# KiCad board DFTBoard.kicad_pcb (continued)
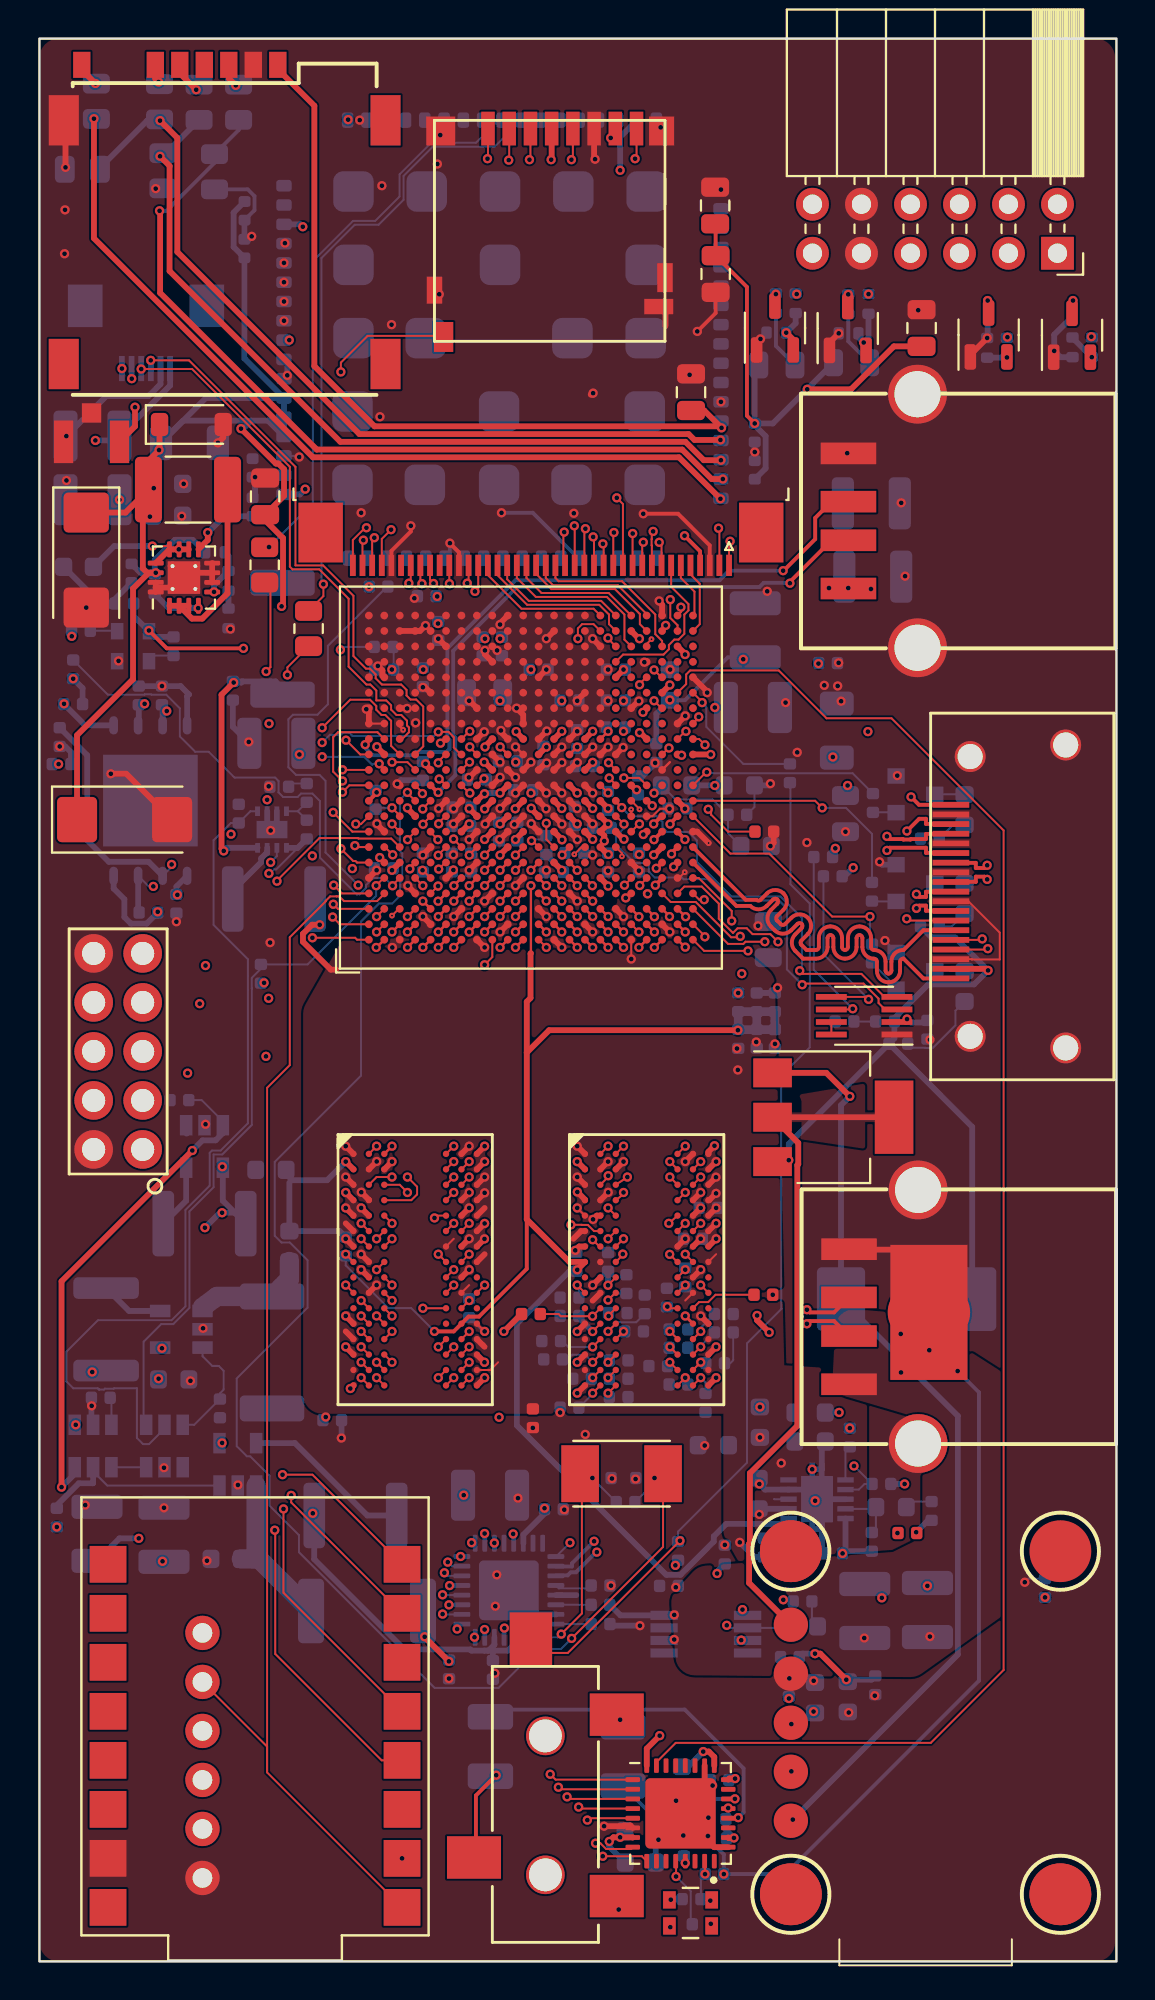
[diagram p0: board, top side]
## Routing (per net, layer and track width the routed paths; a pad name or vN(x,y) marks a point on that pad's centre or on a via; arc(x,y) is an arc through that point) (continued)
DDR3_DQS0_P: length 32.1
  TOP_GND w0.102: U16.F3 v1(17.48,37.45)
  TOP_GND w0.13: U20.C2 v1(18.28,53.35)
  SIGNAL2 w0.102: v1(18.28,53.35) 18.28,53.28 17.9,52.9 17.9,52.36 18.11,52.15 18.33,52.15 18.43,52.05 18.43,51.9 18.25,51.73 17.57,51.73 17.41,51.58 17.36,51.51 17.32,51.44 17.31,51.35 17.31,51.27 17.32,51.18 17.36,51.11 17.41,51.04 17.5,50.95 17.53,50.92 17.55,50.88 17.56,50.84 17.56,50.79 17.55,50.75 17.53,50.71 17.5,50.67 17.47,50.65 17.43,50.63 17.39,50.62 17.34,50.62 17.3,50.63 17.26,50.65 17.22,50.67 16.46,51.44 16.39,51.49 16.32,51.53 16.24,51.54 16.15,51.54 16.07,51.53 15.99,51.49 15.93,51.44 15.89,51.4 15.84,51.34 15.8,51.26 15.78,51.18 15.78,51.09 15.8,51.01 15.84,50.93 15.89,50.87 16.65,50.11 16.68,50.07 16.7,50.03 16.71,49.99 16.71,49.94 16.7,49.9 16.68,49.86 16.65,49.83 16.62,49.8 16.58,49.78 16.54,49.77 16.49,49.77 16.45,49.78 16.41,49.8 16.37,49.83 15.61,50.59 15.55,50.64 15.47,50.68 15.39,50.7 15.3,50.7 15.22,50.68 15.14,50.64 15.08,50.59 15.04,50.55 14.99,50.49 14.95,50.41 14.94,50.33 14.94,50.24 14.95,50.16 14.99,50.08 15.04,50.02 15.31,49.75 15.34,49.72 15.36,49.68 15.37,49.64 15.37,49.59 15.36,49.55 15.34,49.51 15.31,49.47 14.83,48.99 14.83,48.78 14.83,48.69 14.86,48.61 14.91,48.54 14.97,48.47 15.04,48.43 15.13,48.4 15.21,48.39 15.45,48.39 15.49,48.39 15.53,48.37 15.56,48.35 15.59,48.32 15.62,48.28 15.63,48.24 15.64,48.2 15.63,48.16 15.62,48.12 15.59,48.08 15.56,48.05 15.53,48.03 15.49,48.01 15.45,48.01 15.21,48.01 15.13,48 15.04,47.97 14.97,47.93 14.91,47.86 14.86,47.79 14.83,47.71 14.83,47.62 14.83,47.58 14.83,47.49 14.86,47.41 14.91,47.34 14.97,47.27 15.04,47.23 15.13,47.2 15.21,47.19 15.45,47.19 15.49,47.19 15.53,47.17 15.56,47.15 15.59,47.12 15.62,47.08 15.63,47.04 15.64,47 15.63,46.96 15.62,46.92 15.59,46.88 15.56,46.85 15.53,46.83 15.49,46.81 15.45,46.81 15.21,46.81 15.13,46.8 15.04,46.77 14.97,46.73 14.91,46.66 14.86,46.59 14.83,46.51 14.83,46.42 14.83,46.38 14.83,46.29 14.86,46.21 14.91,46.14 14.97,46.07 15.04,46.03 15.13,46 15.21,45.99 15.45,45.99 15.49,45.99 15.53,45.97 15.56,45.95 15.59,45.92 15.62,45.88 15.63,45.84 15.64,45.8 15.63,45.76 15.62,45.72 15.59,45.68 15.56,45.65 15.53,45.63 15.49,45.61 15.45,45.61 15.21,45.61 15.13,45.6 15.04,45.57 14.97,45.53 14.91,45.46 14.86,45.39 14.83,45.31 14.83,45.22 14.83,45.18 14.83,45.09 14.86,45.01 14.91,44.94 14.97,44.87 15.04,44.83 15.13,44.8 15.21,44.79 15.4,44.79 15.44,44.79 15.48,44.77 15.51,44.75 15.54,44.72 15.57,44.68 15.58,44.64 15.59,44.6 15.58,44.56 15.57,44.52 15.54,44.48 15.51,44.45 15.48,44.43 15.44,44.41 15.4,44.41 15.21,44.41 15.13,44.4 15.04,44.37 14.97,44.33 14.91,44.26 14.86,44.19 14.83,44.11 14.83,44.02 14.83,42.98 14.84,42.97 14.84,38.71 14.9,38.65 16.88,38.65 17.38,38.15 17.38,37.96 17.07,37.65 17.07,37.36 17.18,37.25 17.28,37.25 v1(17.48,37.45)
DDR3_DQS1_N: length 18.8
  TOP_GND w0.102: U16.B7 v1(21.48,41.45)
  TOP_GND w0.13: U20.J2 v1(23.08,53.35)
  SIGNAL2 w0.102: v1(21.48,41.45) 20.88,40.85 20.31,40.85 20.13,41.03 20.13,42.17 20.26,42.29 20.96,42.29 22.34,43.68 22.34,45.86 22.35,45.91 22.36,45.95 22.38,45.98 22.41,46.01 22.45,46.04 22.49,46.05 22.53,46.06 22.66,46.06 22.74,46.07 22.82,46.09 22.89,46.14 22.95,46.2 23,46.27 23.02,46.35 23.03,46.43 23.03,46.49 23.02,46.57 23,46.65 22.95,46.72 22.89,46.78 22.82,46.82 22.74,46.85 22.66,46.86 22.06,46.86 21.95,46.98 21.95,47.24 21.95,47.25 21.95,47.26 21.96,47.27 21.97,47.28 21.97,47.28 21.98,47.29 21.99,47.29 22.11,47.29 22.16,47.29 22.21,47.31 22.25,47.34 22.29,47.37 22.32,47.42 22.34,47.47 22.34,47.52 22.34,49.58 22.68,49.92 22.68,51.84 22.89,52.04 23.15,52.04 23.47,52.36 23.47,52.96 v1(23.08,53.35)
DDR3_DQS1_P: length 18.4
  TOP_GND w0.102: U16.C7 v1(21.48,40.65)
  TOP_GND w0.13: U20.H2 v1(22.28,53.35)
  SIGNAL2 w0.102: v1(22.28,53.35) 22.28,52.4 22.34,52.34 22.34,52.11 22.48,51.98 22.48,50 22.14,49.66 22.14,47.53 22.14,47.52 22.13,47.51 22.13,47.51 22.12,47.5 22.11,47.49 22.1,47.49 22.09,47.49 21.98,47.49 21.93,47.48 21.88,47.47 21.83,47.44 21.8,47.4 21.77,47.36 21.75,47.31 21.75,47.26 21.75,46.92 21.75,46.87 21.77,46.82 21.8,46.77 21.91,46.66 22.64,46.66 22.68,46.65 22.72,46.64 22.76,46.61 22.79,46.58 22.81,46.55 22.82,46.51 22.83,46.46 22.83,46.45 22.82,46.41 22.81,46.37 22.79,46.33 22.76,46.3 22.72,46.28 22.68,46.27 22.64,46.26 22.51,46.26 22.43,46.25 22.35,46.22 22.28,46.18 22.22,46.12 22.17,46.05 22.15,45.97 22.14,45.89 22.14,43.76 20.88,42.5 20.17,42.5 19.93,42.25 19.93,40.95 20.23,40.65 v1(21.48,40.65)
DDR3_DQS2_N: length 21.4
  TOP_GND w0.102: U15.G3 v1(30.28,37.45)
  TOP_GND w0.13: U20.P2 v1(27.88,53.35)
  SIGNAL2 w0.102: v1(30.28,37.45) 30.28,37.79 29.41,38.65 29.08,38.65 28.5,39.24 28.5,43.91 28.5,43.91 28.5,46.57 28.28,46.8 28.28,47.01 28.28,47.03 28.29,47.05 28.3,47.07 28.31,47.09 28.33,47.1 28.35,47.11 28.38,47.11 28.51,47.11 28.57,47.12 28.63,47.14 28.69,47.17 28.73,47.22 28.77,47.28 28.79,47.34 28.8,47.4 28.8,47.44 28.79,47.5 28.77,47.56 28.73,47.62 28.69,47.66 28.63,47.7 28.57,47.72 28.51,47.72 27.94,47.72 27.93,47.72 27.92,47.73 27.91,47.73 27.91,47.74 27.91,47.74 27.9,47.75 27.9,47.76 27.9,47.89 27.9,47.9 27.91,47.91 27.91,47.92 27.91,47.92 27.92,47.92 27.93,47.93 27.94,47.93 28.51,47.93 28.57,47.94 28.63,47.96 28.69,47.99 28.73,48.04 28.77,48.09 28.79,48.15 28.8,48.22 28.8,48.25 28.79,48.32 28.77,48.38 28.73,48.43 28.69,48.48 28.63,48.51 28.57,48.53 28.51,48.54 27.95,48.54 27.91,48.57 27.91,48.57 27.9,48.58 27.9,48.59 27.9,48.73 27.9,48.73 27.91,48.74 27.91,48.75 27.91,48.75 27.92,48.76 27.93,48.76 27.94,48.76 28.05,48.76 28.1,48.76 28.15,48.78 28.19,48.81 28.23,48.84 28.25,48.89 28.27,48.93 28.28,48.98 28.28,51.35 28.68,51.75 28.68,51.97 28.28,52.37 28.28,52.95 v1(27.88,53.35)
DDR3_DQS2_P: length 21.8
  TOP_GND w0.102: U15.F3 v1(29.47,37.45)
  TOP_GND w0.13: U20.N2 v1(27.08,53.35)
  SIGNAL2 w0.102: v1(29.47,37.45) 29.78,37.75 29.78,37.95 29.66,38.06 28.51,38.06 28.29,38.28 28.29,46.49 28.07,46.72 28.07,47.03 28.08,47.09 28.1,47.15 28.13,47.21 28.18,47.25 28.23,47.29 28.3,47.31 28.36,47.32 28.49,47.32 28.51,47.32 28.54,47.33 28.56,47.34 28.57,47.35 28.58,47.37 28.59,47.4 28.59,47.42 28.59,47.44 28.58,47.46 28.57,47.48 28.56,47.5 28.54,47.51 28.51,47.52 28.49,47.52 27.92,47.52 27.87,47.53 27.82,47.54 27.78,47.57 27.75,47.6 27.72,47.65 27.7,47.69 27.7,47.74 27.7,47.91 27.7,47.96 27.72,48.01 27.75,48.05 27.78,48.08 27.82,48.11 27.87,48.13 27.92,48.13 28.49,48.13 28.51,48.13 28.54,48.14 28.56,48.15 28.57,48.17 28.58,48.19 28.59,48.21 28.59,48.23 28.59,48.26 28.58,48.28 28.57,48.3 28.56,48.31 28.54,48.33 28.51,48.33 28.49,48.34 27.86,48.34 27.82,48.37 27.78,48.4 27.75,48.43 27.72,48.48 27.7,48.52 27.7,48.57 27.7,48.74 27.7,48.79 27.72,48.84 27.75,48.88 27.78,48.91 27.82,48.94 27.87,48.96 27.92,48.96 28.04,48.96 28.05,48.96 28.05,48.97 28.06,48.97 28.06,48.98 28.07,48.98 28.07,48.99 28.07,49 28.07,51.7 27.47,52.31 27.47,52.96 v1(27.08,53.35)
DDR3_DQS3_N: length 18.3
  TOP_GND w0.102: 33.08,41.05 v1(32.68,41.45)
  TOP_GND w0.13: U20.W2 v1(31.88,53.35)
  SIGNAL1 w0.102: v1(31.88,53.35) 32.58,52.65 32.58,52.4 32.12,51.95 32.12,50.63 32.12,50.58 32.1,50.52 32.07,50.47 32.03,50.43 31.98,50.4 31.92,50.38 31.87,50.37 31.72,50.37 31.71,50.37 31.7,50.36 31.7,50.35 31.7,50.35 31.7,49.85 31.7,49.84 31.71,49.83 31.71,49.82 31.78,49.75 32.61,49.75 32.72,49.74 32.82,49.7 32.92,49.64 32.99,49.56 33.05,49.47 33.09,49.37 33.1,49.26 33.1,49.19 33.09,49.08 33.05,48.98 32.99,48.89 32.92,48.81 32.82,48.75 32.72,48.71 32.61,48.7 31.72,48.7 31.71,48.7 31.7,48.69 31.7,48.68 31.7,48.67 31.7,48.18 31.7,48.16 31.71,48.16 31.72,48.15 31.72,48.15 32.61,48.15 32.72,48.14 32.82,48.1 32.92,48.04 32.99,47.96 33.05,47.87 33.09,47.77 33.1,47.66 33.1,47.59 33.09,47.48 33.05,47.38 32.99,47.29 32.92,47.21 32.82,47.15 32.72,47.11 32.61,47.1 32.4,47.1 32.34,47.09 32.28,47.07 32.23,47.04 32.18,47 32.15,46.94 32.13,46.89 32.12,46.83 32.12,42.75 32.33,42.55 32.33,42.35 32.12,42.15 32.12,42 v1(32.68,41.45)
DDR3_DQS3_P: length 19.2
  TOP_GND w0.102: 33.08,40.25 v1(32.68,40.65) ; U20.V2 v1(31.08,53.35)
  SIGNAL1 w0.102: v1(31.08,53.35) 31.47,52.95 31.47,52.35 31.88,51.95 31.88,50.65 31.87,50.64 31.87,50.63 31.86,50.62 31.85,50.62 31.71,50.62 31.65,50.62 31.6,50.6 31.55,50.57 31.51,50.53 31.47,50.48 31.46,50.42 31.45,50.36 31.45,49.83 31.46,49.78 31.47,49.72 31.7,49.5 32.58,49.5 32.64,49.49 32.7,49.47 32.75,49.44 32.79,49.4 32.82,49.34 32.84,49.29 32.85,49.23 32.84,49.16 32.82,49.11 32.79,49.05 32.75,49.01 32.7,48.98 32.64,48.96 32.58,48.95 31.71,48.95 31.65,48.94 31.6,48.92 31.55,48.89 31.51,48.85 31.47,48.8 31.46,48.75 31.45,48.69 31.45,48.16 31.46,48.1 31.47,48.05 31.51,48 31.55,47.96 31.6,47.93 31.65,47.91 31.71,47.9 32.58,47.9 32.64,47.89 32.7,47.87 32.75,47.84 32.79,47.8 32.82,47.74 32.84,47.69 32.85,47.63 32.84,47.56 32.82,47.51 32.79,47.45 32.75,47.41 32.7,47.38 32.64,47.36 32.58,47.35 32.37,47.35 32.26,47.34 32.16,47.3 32.06,47.24 31.98,47.16 31.92,47.07 31.89,46.97 31.88,46.86 31.88,41 32.22,40.65 v1(32.68,40.65)
DDR3_DRST#: length 53.6
  TOP_GND w0.102: 29.08,29.85 v1(28.68,29.45) ; U16.T2 v1(16.68,30.25)
  TOP_GND w0.13: U20.F3 v1(20.68,54.15)
  SIGNAL2 w0.102: v1(28.68,29.45) 28.18,28.95 25.83,28.95 25.8,28.95 25.77,28.96 25.74,28.98 25.72,29 25.7,29.03 25.69,29.05 25.69,29.11 25.68,29.14 25.66,29.17 25.64,29.19 25.62,29.2 25.59,29.21 25.56,29.22 25.43,29.22 25.4,29.21 25.37,29.2 25.34,29.19 25.32,29.17 25.3,29.14 25.29,29.11 25.29,29.05 25.28,29.03 25.26,29 25.24,28.98 25.22,28.96 25.19,28.95 25.16,28.95 17.98,28.95 v1(16.68,30.25)
  SIGNAL4 w0.102: v1(16.68,30.25) 16.12,30.25 15.72,29.85 14.28,29.85 11.03,33.1 11.03,45.4 16.58,50.95 16.58,52.35 17.18,52.95 17.67,52.95 17.85,52.77 17.85,52.02 17.98,51.9 18.53,51.9 18.69,52.06 18.69,52.74 18.68,52.75 18.68,54.33 18.89,54.54 19.26,54.54 19.27,54.54 19.43,54.7 19.43,55.08 19.69,55.35 20.06,55.35 20.27,55.14 20.27,54.76 20.28,54.75 20.28,54.55 v1(20.68,54.15)
  BOTTOM w0.102: v1(28.68,29.45) 28.68,29.42 R74.1
DDR3_ODT: length 48.4
  TOP_GND w0.102: U16.K1 v1(15.88,35.05) ; U15.K1 v1(27.88,35.05)
  TOP_GND w0.13: U20.P5 v1(27.88,55.75)
  SIGNAL2 w0.102: v1(15.88,35.05) 16.28,34.64 16.86,34.64 17.07,34.44 17.09,34.44 17.38,34.15 17.59,34.15 18.09,34.65 24.23,34.65 24.38,34.8 27.62,34.8 v1(27.88,35.05)
  SIGNAL4 w0.102: v1(15.88,35.05) 16.68,35.05 17.08,35.45 17.08,36.1 17.23,36.25 17.78,36.25 17.88,36.35 17.88,37 17.88,37.01 17.88,37.64 18.09,37.84 18.45,37.84 18.68,38.07 18.69,38.07 19.43,38.8 19.43,39.62 19.53,39.72 19.53,43.43 24.21,48.11 25.01,48.91 25.04,48.93 25.07,48.95 25.1,48.95 25.13,48.95 25.16,48.95 25.19,48.93 25.21,48.91 25.36,48.77 25.38,48.75 25.41,48.74 25.44,48.73 25.47,48.73 25.5,48.74 25.53,48.75 25.56,48.77 25.64,48.85 25.66,48.88 25.67,48.91 25.68,48.94 25.68,48.97 25.67,49 25.66,49.03 25.64,49.05 25.15,49.54 25.13,49.56 25.12,49.59 25.11,49.62 25.11,49.65 25.12,49.69 25.13,49.71 25.15,49.74 25.24,49.82 25.26,49.84 25.29,49.86 25.32,49.86 25.35,49.86 25.38,49.86 25.41,49.84 25.44,49.82 25.92,49.34 25.95,49.32 25.98,49.3 26.01,49.29 26.04,49.29 26.07,49.3 26.1,49.32 26.12,49.34 26.21,49.42 26.23,49.44 26.24,49.47 26.25,49.5 26.25,49.53 26.24,49.57 26.23,49.59 26.21,49.62 25.72,50.11 25.7,50.13 25.68,50.16 25.68,50.19 25.68,50.22 25.68,50.25 25.7,50.28 25.72,50.3 25.8,50.39 25.83,50.41 25.86,50.42 25.89,50.43 25.92,50.43 25.95,50.42 25.98,50.41 26,50.39 26.49,49.9 26.51,49.88 26.54,49.87 26.57,49.86 26.6,49.86 26.63,49.87 26.66,49.88 26.69,49.9 26.77,49.99 26.79,50.01 26.8,50.04 26.81,50.07 26.81,50.1 26.8,50.13 26.79,50.16 26.77,50.18 26.32,50.64 26.3,50.66 26.29,50.69 26.28,50.72 26.28,50.75 26.29,50.78 26.3,50.81 26.32,50.83 26.4,50.92 26.43,50.94 26.46,50.95 26.49,50.96 26.52,50.96 26.55,50.95 26.58,50.94 26.6,50.92 27.05,50.47 27.08,50.45 27.11,50.43 27.14,50.43 27.17,50.43 27.2,50.43 27.23,50.45 27.25,50.47 27.34,50.55 27.36,50.58 27.37,50.6 27.38,50.63 27.38,50.67 27.37,50.7 27.36,50.72 27.34,50.75 26.88,51.2 26.87,51.23 26.85,51.25 26.84,51.28 26.84,51.32 26.85,51.35 26.87,51.38 26.88,51.4 26.97,51.48 26.99,51.5 27.02,51.52 27.05,51.52 27.08,51.52 27.11,51.52 27.14,51.5 27.17,51.48 27.28,51.38 27.3,51.36 27.33,51.34 27.36,51.33 27.39,51.33 27.42,51.34 27.45,51.36 27.48,51.38 27.48,55.15 27.73,55.4 27.86,55.4 27.88,55.41 v1(27.88,55.75)
  BOTTOM w0.102: R72.1 27.96,34.97 v1(27.88,35.05)
DDR3_RAS#: length 46.1
  TOP_GND w0.102: U16.J3 v1(18.28,35.05) ; U15.J3 29.47,35.05 v1(29.47,35.04)
  TOP_GND w0.13: U20.R5 28.66,55.77 v1(28.66,55.75)
  SIGNAL2 w0.102: v1(29.47,35.04) 29.06,35.45 27.38,35.45 26.53,36.3 25.58,36.3 24.73,35.46 24.34,35.46 24.3,35.45 24.26,35.44 24.23,35.42 24.2,35.39 24.18,35.35 24.16,35.31 24.15,35.23 24.14,35.19 24.12,35.16 24.09,35.13 24.05,35.11 24.01,35.09 23.97,35.09 23.94,35.09 23.9,35.09 23.86,35.11 23.83,35.13 23.8,35.16 23.78,35.19 23.76,35.23 23.76,35.54 23.65,35.65 23.63,35.67 23.61,35.67 23.58,35.68 23.4,35.68 23.38,35.67 23.35,35.67 23.33,35.65 23.32,35.64 23.3,35.61 23.29,35.59 23.29,35.54 23.28,35.52 23.27,35.5 23.25,35.48 23.23,35.47 23.21,35.46 23.18,35.46 21.3,35.46 20.89,35.05 v1(18.28,35.05)
  SIGNAL4 w0.102: v1(28.66,55.75) 28.28,55.36 28.28,54.7 28.43,54.55 28.93,54.55 29.08,54.4 29.08,50.7 28.9,50.53 28.88,50.51 28.85,50.49 28.82,50.48 28.79,50.48 28.75,50.49 28.73,50.51 28.7,50.53 28.57,50.66 28.54,50.68 28.52,50.69 28.49,50.7 28.45,50.7 28.42,50.69 28.4,50.68 28.37,50.66 28.29,50.57 28.27,50.55 28.25,50.52 28.25,50.49 28.25,50.46 28.25,50.43 28.27,50.4 28.29,50.38 28.75,49.91 28.77,49.89 28.78,49.86 28.79,49.83 28.79,49.8 28.78,49.77 28.77,49.74 28.75,49.71 28.67,49.63 28.64,49.61 28.61,49.6 28.58,49.59 28.55,49.59 28.52,49.6 28.49,49.61 28.47,49.63 28,50.09 27.98,50.11 27.95,50.13 27.92,50.13 27.89,50.13 27.86,50.13 27.83,50.11 27.81,50.09 27.72,50.01 27.7,49.98 27.69,49.95 27.68,49.92 27.68,49.89 27.69,49.86 27.7,49.83 27.72,49.81 28.18,49.35 28.2,49.32 28.22,49.29 28.22,49.26 28.22,49.23 28.22,49.2 28.2,49.17 28.18,49.15 28.1,49.06 28.08,49.04 28.05,49.03 28.02,49.02 27.99,49.02 27.95,49.03 27.93,49.04 27.9,49.06 27.44,49.53 27.41,49.55 27.38,49.56 27.35,49.57 27.32,49.57 27.29,49.56 27.26,49.55 27.24,49.53 27.15,49.44 27.14,49.42 27.12,49.39 27.11,49.36 27.11,49.33 27.12,49.3 27.14,49.27 27.15,49.24 27.62,48.78 27.64,48.76 27.65,48.73 27.66,48.7 27.66,48.67 27.65,48.63 27.64,48.61 27.62,48.58 27.53,48.5 27.51,48.48 27.48,48.46 27.45,48.46 27.42,48.46 27.39,48.46 27.36,48.48 27.34,48.5 27.2,48.63 27.18,48.65 27.15,48.66 27.12,48.67 27.09,48.67 27.06,48.66 27.03,48.65 27,48.63 26.32,47.94 21.08,42.7 21.08,37.85 v1(18.28,35.05)
  BOTTOM w0.3: v1(29.47,35.04) 29.47,35.05 R69.1
DDR3_VTT: length 5.1
  TOP_GND w0.3: v1(37.2,33.48) 37.2,33.23 v1(37.83,32.6) ; 24.98,33.55 v1(24.08,32.65)
  BOTTOM w0.102: 38.08,23.96 38.09,23.95 U8.3 ; R55.2 35.96,31.16 35.81,31 R57.2
DDR3_VTT_EN: length 69.5
  TOP_GND w0.102: 17.88,56.97 17.64,57.2 v1(17.64,57.21)
  SIGNAL1 w0.102: v1(23.83,28.2) 31.11,20.92 38.02,20.92 42.22,25.12 v1(42.22,25.68)
  SIGNAL4 w0.102: v1(17.64,57.21) 17.39,57.21 15.38,55.2 15.07,55.2 14.84,54.97 14.84,54.92 10.58,50.65 10.58,33.04 15.41,28.2 v1(23.83,28.2)
  BOTTOM w0.102: v1(42.22,25.68) 42.23,25.68 R25.2 42.77,24.74 42.47,24.45 U8.7
DDR3_WE#: length 41.8
  TOP_GND w0.102: U16.L3 v1(18.28,33.45) ; U15.L3 29.5,33.48
  TOP_GND w0.13: U20.R4 v1(28.68,54.95)
  SIGNAL4 w0.102: v1(29.5,33.44) 29.43,33.51 29.18,33.51 28.86,33.83 28.54,33.83 28.53,33.85 24.58,33.85 24.53,33.86 24.49,33.87 24.45,33.89 24.42,33.93 24.39,33.96 24.38,34.01 24.38,34.05 24.38,34.14 24.37,34.18 24.36,34.23 24.33,34.26 24.3,34.3 24.26,34.32 24.22,34.33 24.18,34.34 24.13,34.33 24.09,34.32 24.05,34.3 24.02,34.26 23.99,34.23 23.98,34.18 23.98,34.14 23.98,33.56 23.97,33.52 23.96,33.47 23.93,33.44 23.9,33.4 23.86,33.38 23.82,33.37 23.78,33.36 23.73,33.37 23.69,33.38 23.65,33.4 23.62,33.44 23.59,33.47 23.58,33.52 23.58,33.56 23.58,33.65 23.57,33.69 23.56,33.74 23.53,33.77 23.5,33.81 23.46,33.83 23.42,33.84 23.38,33.85 21.38,33.85 20.98,33.45 v1(18.28,33.45) 18.83,34 18.83,34.22 21.88,37.27 21.88,42.43 29.88,50.43 29.88,54.35 29.28,54.95 v1(28.68,54.95)
DE: length 30.7
  TOP_GND w0.102: 19.25,72.35 19.25,71.52 v1(19.15,71.43) ; U20.V10 31.1,59.72 v2(31.1,59.71)
  GND0 w0.102: v2(31.1,59.71) 31.1,59.7 30.69,59.29 30.69,58.46 31.41,57.74 32.04,57.74 33.87,59.57 33.87,59.78 33.84,59.81 33.84,59.91 33.77,59.98 33.77,60.83 32.24,62.36 32.24,63.15 31.32,64.07 31.14,64.07 31.06,64.16 24.85,64.16 24.4,64.6 21.58,64.6 21.58,65.82 19.04,68.36 19.04,71.32 v1(19.15,71.43)
GPRS_RX: length 88.7
  TOP_GND w0.102: U14.20 13.05,23.79 v1(13.05,24.15) ; 11.98,71.46 11.98,67.08 v1(11.75,66.85) ; 32.24,64.95 v1(31.86,65.33)
  SIGNAL1 w0.102: 11.75,66.13 1.22,55.6 1.22,33.19 10.26,24.15 v1(13.05,24.15) ; 11.75,66.13 v1(11.75,66.85) ; 11.75,66.13 12.74,67.12 12.96,67.12 14.1,65.98 15.24,65.98 15.58,65.63 20.03,65.63 20.12,65.73 31.47,65.73 v1(31.86,65.33)
GPRS_TX: length 82.5
  TOP_GND w0.102: U14.21 14.15,25.23 v1(12.6,25.23) ; R22.1 12.85,67.07 v1(12.85,66.67) ; U20.W16 31.28,64.76 v1(31.28,64.73)
  SIGNAL1 w0.102: 12.87,65.78 1.43,54.33 1.43,33.28 9.48,25.23 v1(12.6,25.23) ; 12.87,65.78 12.85,65.79 v1(12.85,66.67) ; 12.87,65.78 15.15,65.78 16.74,64.19 18.88,64.19 19.33,64.63 24.32,64.63 24.5,64.45 31,64.45 v1(31.28,64.73)
GPRSrst: length 118.9
  TOP_GND w0.102: 31.45,66.55 31.11,66.21 v1(31.11,66.16) ; v1(12.65,23.45) 12.65,19.11 U14.9
  SIGNAL1 w0.102: v1(54.53,84.2) 54.53,84.03 47.8,77.3 42.44,77.3 32.3,67.16 32.3,66.81 31.66,66.16 v1(31.11,66.16) 30.72,66.55 13.81,66.55 13.05,67.32 11.67,67.32 1.02,56.67 1.02,33.11 10.67,23.45 v1(12.65,23.45)
HDMI_B_N: length 21.3
  TOP_GND w0.2: v1(33.46,58.14) 33.46,58.16 33.08,58.54 ; v1(44.96,58.58) 45.6,59.22 45.95,59.22 45.95,58.95 47.24,58.95
  SIGNAL1 w0.2: v1(44.96,58.58) 44.96,59.14 44.95,59.15 44.2,59.15 44.13,59.21 40.99,59.21 40.41,58.64 39.94,59.11 39.94,60.41 39.88,60.43 39.85,60.44 39.76,60.35 39.76,59.81 39.17,59.21 39.1,59.21 38.21,58.32 37.39,58.32 37.28,58.22 37.26,58.22 36.66,57.62 36.17,57.62 36.1,57.75 36.1,59.35 35.91,59.55 35.88,59.55 35.82,59.52 35.82,58.99 35.16,58.32 33.64,58.32 v1(33.46,58.14)
HDMI_B_P: length 16.8
  TOP_GND w0.2: v1(45.18,60.35) 45.59,59.94 J9.1 ; v1(32.69,58.94) 32.69,58.96 U20.AA9
  SIGNAL1 w0.2: v1(32.69,58.94) 34.53,58.94 37.06,61.48 43.24,61.48 44.37,60.35 v1(45.18,60.35)
HDMI_CEC: length 17.8
  TOP_GND w0.102: 31.47,56.13 31.12,55.77 v1(31.12,55.76) ; J9.13 45.05,53.94 v1(44.96,54.03)
  SIGNAL1 w0.102: v1(31.12,55.76) 31.56,56.2 32.35,56.2 34,54.55 44.44,54.55 v1(44.96,54.03)
HDMI_CLK_N: length 22
  TOP_GND w0.2: v1(45.46,54.58) 45.6,54.72 45.95,54.72 45.95,54.45 47.24,54.45 ; 32.27,58.55 v1(31.86,58.14)
  SIGNAL4 w0.2: v1(31.86,58.14) 32.28,57.71 32.28,57.21 32.43,57.07 32.43,56.46 32.79,56.1 35.6,56.1 36.98,54.72 37.17,54.72 arc(37.59,54.89) 37.77,55.32 37.77,55.79 arc(37.81,55.9) 37.92,55.94 arc(38.03,55.9) 38.07,55.79 38.07,55.32 arc(38.25,54.89) 38.67,54.72 arc(39.1,54.89) 39.27,55.32 39.27,55.79 arc(39.32,55.9) 39.42,55.94 arc(39.53,55.9) 39.57,55.79 39.57,55.32 arc(39.75,54.89) 40.17,54.72 45.32,54.72 v1(45.46,54.58)
HDMI_CLK_P: length 21.5
  TOP_GND w0.2: v1(45.46,55.31) 45.6,55.17 45.95,55.17 45.95,55.43 47.24,55.43 ; 32.24,59.35 v1(31.84,58.95)
  SIGNAL4 w0.2: v1(31.84,58.95) 33.36,57.44 34.91,57.44 34.91,57.43 37.17,55.17 arc(37.27,55.21) 37.32,55.32 37.32,55.79 arc(37.49,56.22) 37.92,56.39 arc(38.34,56.22) 38.52,55.79 38.52,55.32 arc(38.56,55.21) 38.67,55.17 arc(38.78,55.21) 38.82,55.32 38.82,55.79 arc(39,56.22) 39.42,56.39 arc(39.85,56.22) 40.02,55.79 40.02,55.32 arc(40.07,55.21) 40.17,55.17 45.32,55.17 v1(45.46,55.31)
HDMI_G_N: length 22.6
  TOP_GND w0.2: U20.AA6 32.87,56.75 v1(32.87,56.73) ; 47.24,57.45 45.95,57.45 45.95,57.72 44.07,57.72 v1(43.93,57.58)
  SIGNAL1 w0.2: v1(32.87,56.73) 32.93,56.79 34.36,56.79 arc(34.46,56.74) 34.51,56.64 34.51,56.16 arc(34.68,55.74) 35.11,55.56 arc(35.53,55.74) 35.71,56.16 35.71,56.64 arc(35.75,56.74) 35.86,56.79 arc(35.97,56.74) 36.01,56.64 36.01,56.16 arc(36.19,55.74) 36.61,55.56 arc(37.04,55.74) 37.21,56.16 37.21,56.64 arc(37.26,56.74) 37.36,56.79 arc(37.47,56.74) 37.51,56.64 37.51,56.16 arc(37.69,55.74) 38.12,55.56 arc(38.54,55.74) 38.72,56.16 38.72,56.64 arc(38.76,56.74) 38.87,56.79 arc(38.97,56.74) 39.02,56.64 39.02,56.16 arc(39.19,55.74) 39.62,55.56 arc(40.04,55.74) 40.22,56.16 40.22,56.64 arc(40.26,56.74) 40.37,56.79 41.61,56.79 42.53,57.71 43.91,57.71
HDMI_G_P: length 23
  TOP_GND w0.2: v1(32.76,57.39) 32.76,57.44 U20.AA7 ; 47.24,58.43 45.95,58.43 45.95,58.17 45.17,58.17 45.15,58.14 44.78,58.14 44.75,58.17 44.07,58.17 v1(43.93,58.31)
  SIGNAL1 w0.2: v1(32.76,57.39) 32.92,57.24 34.36,57.24 arc(34.78,57.06) 34.96,56.64 34.96,56.16 arc(35,56.06) 35.11,56.01 arc(35.21,56.06) 35.26,56.16 35.26,56.64 arc(35.43,57.06) 35.86,57.24 arc(36.28,57.06) 36.46,56.64 36.46,56.16 arc(36.5,56.06) 36.61,56.01 arc(36.72,56.06) 36.76,56.16 36.76,56.64 arc(36.94,57.06) 37.36,57.24 arc(37.79,57.06) 37.96,56.64 37.96,56.16 arc(38.01,56.06) 38.12,56.01 arc(38.22,56.06) 38.27,56.16 38.27,56.64 arc(38.44,57.06) 38.87,57.24 arc(39.29,57.06) 39.47,56.64 39.47,56.16 arc(39.51,56.06) 39.62,56.01 arc(39.73,56.06) 39.77,56.16 39.77,56.64 arc(39.95,57.06) 40.37,57.24 41.44,57.24 42.51,58.31 v1(43.93,58.31)
HDMI_HEAC_N: length 24.9
  TOP_GND w0.2: J9.19 45.82,50.94 44.79,51.97 44.76,51.97 arc(44.66,51.92) 44.61,51.82 44.61,51.34 arc(44.43,50.92) 44.01,50.74 arc(43.59,50.92) 43.41,51.34 43.41,51.82 arc(43.36,51.92) 43.26,51.97 arc(42.83,52.14) 42.66,52.57 42.66,53.04 arc(42.61,53.15) 42.51,53.19 arc(42.4,53.15) 42.36,53.04 42.36,52.57 arc(42.18,52.14) 41.75,51.97 arc(41.33,52.14) 41.15,52.57 41.15,53.04 arc(41.11,53.15) 41,53.19 arc(40.9,53.15) 40.85,53.04 40.85,52.57 arc(40.67,52.14) 40.25,51.97 39.58,51.97 39.17,52.37 arc(39,52.8) 39.17,53.22 39.51,53.56 arc(39.55,53.66) 39.51,53.77 arc(39.4,53.81) 39.3,53.77 38.96,53.44 arc(38.54,53.26) 38.11,53.44 37.91,53.64 arc(37.74,54.06) 37.91,54.49 38.25,54.82 arc(38.29,54.93) 38.25,55.03 arc(38.14,55.08) 38.03,55.03 37.7,54.7 arc(37.27,54.52) 36.85,54.7 36.13,54.7 U20.AB6
HDMI_HEAC_P: length 25
  TOP_GND w0.2: U20.AB7 36.61,55.02 37.17,55.02 arc(37.27,54.97) 37.38,55.02 37.71,55.35 arc(38.14,55.53) 38.56,55.35 arc(38.74,54.93) 38.56,54.5 38.23,54.17 arc(38.19,54.06) 38.23,53.95 38.43,53.75 arc(38.54,53.71) 38.64,53.75 38.98,54.09 arc(39.4,54.26) 39.83,54.09 arc(40,53.66) 39.83,53.24 39.49,52.9 arc(39.45,52.8) 39.49,52.69 39.77,52.42 40.25,52.42 arc(40.36,52.46) 40.4,52.57 40.4,53.04 arc(40.58,53.47) 41,53.64 arc(41.43,53.47) 41.6,53.04 41.6,52.57 arc(41.65,52.46) 41.75,52.42 arc(41.86,52.46) 41.91,52.57 41.91,53.04 arc(42.08,53.47) 42.51,53.64 arc(42.93,53.47) 43.11,53.04 43.11,52.57 arc(43.15,52.46) 43.26,52.42 arc(43.68,52.24) 43.86,51.82 43.86,51.34 arc(43.9,51.24) 44.01,51.19 arc(44.12,51.24) 44.16,51.34 44.16,51.82 arc(44.34,52.24) 44.76,52.42 44.79,52.42 45.82,53.44 J9.14
HDMI_R_N: length 22.2
  TOP_GND w0.2: v1(49.12,56.08) 48.99,56.22 48.54,56.22 48.54,55.95 47.25,55.95 ; 32.28,56.13 v1(31.93,55.78)
  SIGNAL2 w0.2: v1(31.93,55.78) 32.21,55.78 32.56,55.43 34.23,55.43 34.27,55.46 37.36,55.46 37.5,55.33 37.57,55.33 38.25,56.01 38.25,56.55 38.28,56.55 38.34,56.53 38.34,55.93 38.94,55.33 43.27,55.33 44.16,56.22 48.99,56.22 v1(49.12,56.08)
HDMI_R_P: length 22.4
  TOP_GND w0.2: 47.25,56.93 48.54,56.93 48.54,56.67 48.99,56.67 v1(49.12,56.81) ; U20.Y6 v1(31.97,56.65)
  SIGNAL2 w0.2: v1(31.97,56.65) 32.75,55.88 34.58,55.88 34.68,55.78 37.5,55.78 arc(37.61,55.82) 37.65,55.93 37.65,56.4 arc(37.83,56.82) 38.25,57 arc(38.68,56.82) 38.85,56.4 38.85,55.93 arc(38.9,55.82) 39,55.78 43.08,55.78 43.97,56.67 48.99,56.67 v1(49.12,56.81)
